# Altium PCB ER100_Driver.PcbDoc (part 2 of 2)
Units mil, origin at the board's own origin, x right, y up, seen from the top; angles counter-clockwise.
Board outline 4527.56 x 3228.35 mil, 4 copper layers (Top Layer, MidLayer1, MidLayer2, Bottom Layer); 68 components, 74 nets, 510 pads, 543 vias.
Unrouted connection lines stored in the file: 17.
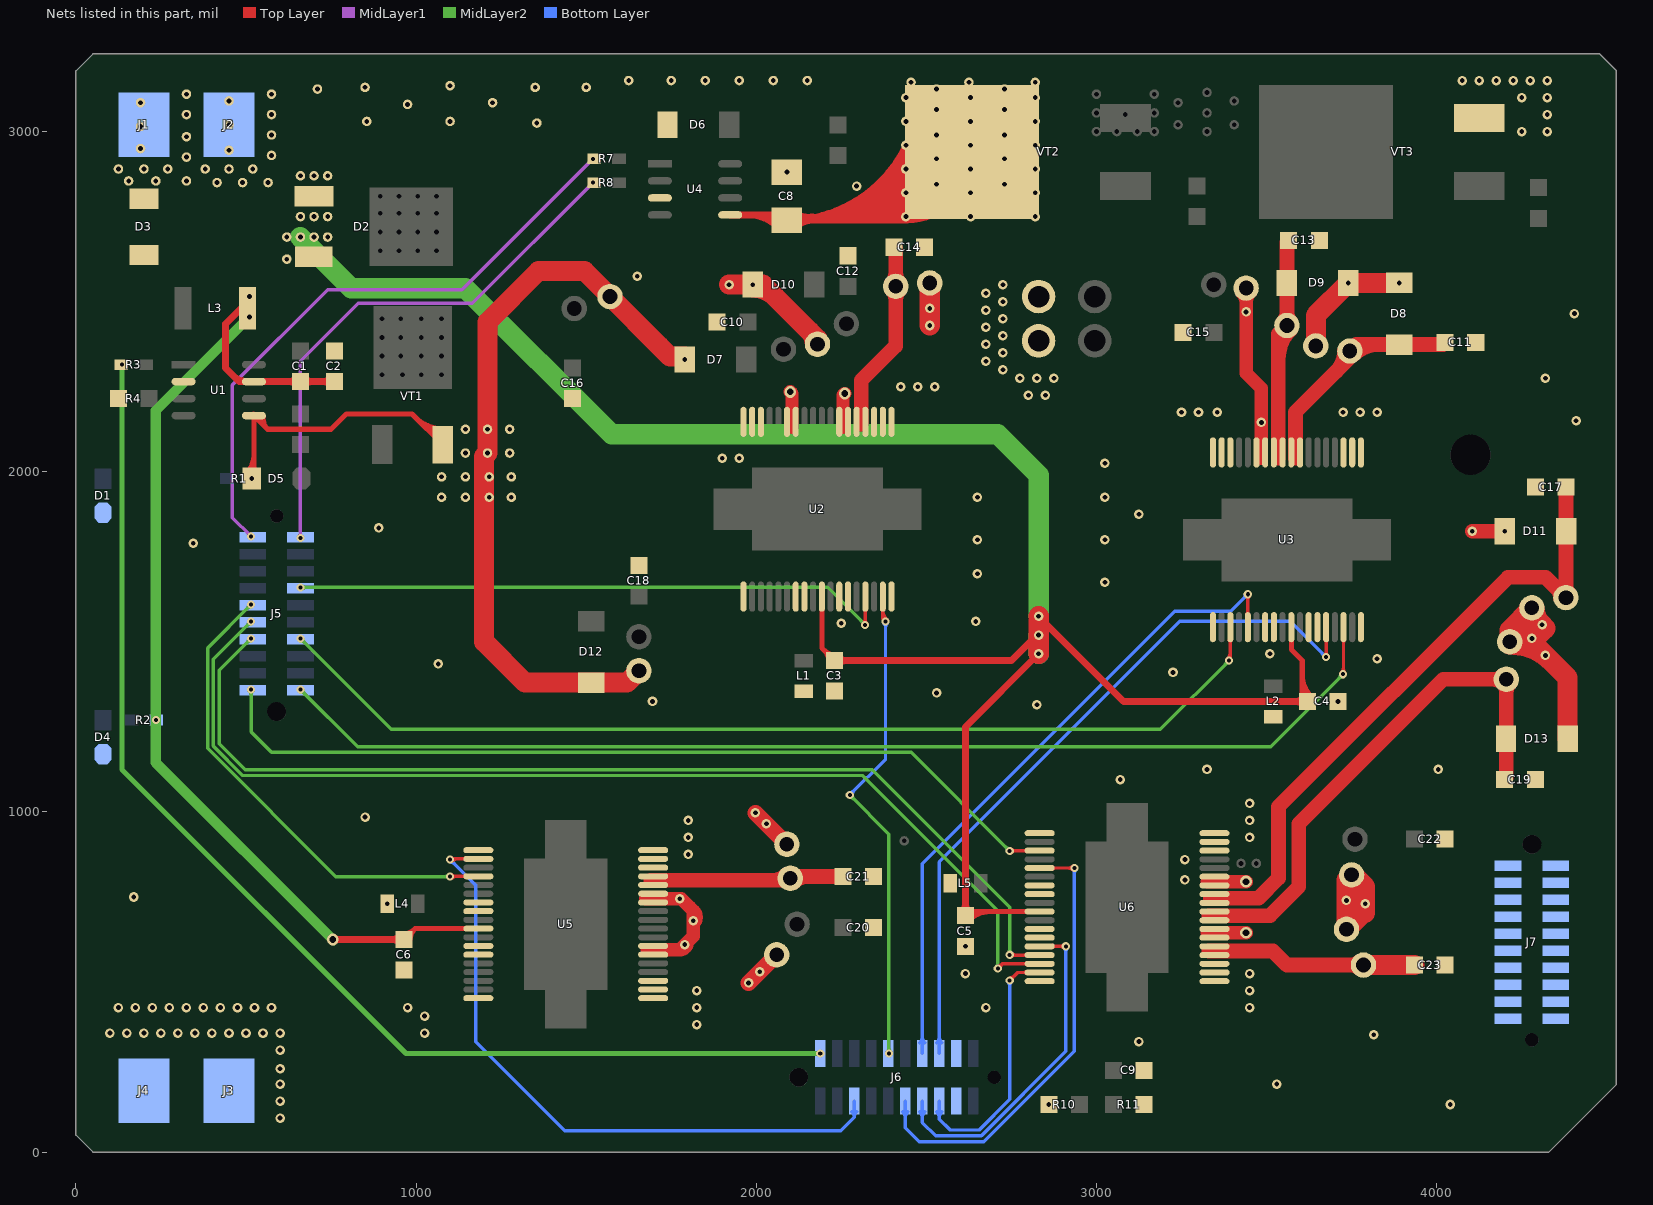
[diagram p4: the nets of this part, all layers, seen from the top]

## Via types
v1: diameter 19.68, hole 7.87, Top Layer to Bottom Layer, 264 vias
v2: diameter 28, hole 14, Top Layer to Bottom Layer, 205 vias
v3: diameter 24, hole 12, Top Layer to Bottom Layer, 69 vias
v4: diameter 35, hole 20, Top Layer to Bottom Layer, 5 vias

## Nets (pads, with @x,y where several pads share a name; then routed paths per layer and width w, separated by ;. In a path a pad name is that pad's centre, name@x,y a point inside that pad or via, vN(x,y) a via of type N, cw(c..) or ccw(c..) an arc to the next point about the centre after c; other vN are vias at no path point) (continued)
P_GND: C2.1 C3.2 C4.2 C5.2 C6.2 C8.2 C9.1 C10.2 C11.1 C12.2 C13.1 C14.2 C15.1 C16.2 C17.1 C18.2 C19.1 C20.2 C21.2 C22.2 C23.2 D1.2 D3.1 D4.2 J3.1 J4.1 J6.9 J6.12 J7.1 J7.2 J7.3 J7.4 J7.5 J7.6 J7.7 J7.8 J7.9 J7.10 J7.11 J7.12 J7.13 J7.14 J7.15 J7.16 J7.17 J7.18 J7.19 J7.20 L1.2 L2.2 L4.2 L5.2 pad.27@2830,2385 pad.28@2830,2515 R4.1 R11.2 U1.2 U2.1 U2.2 U2.3 U2.16 U2.17 U2.18 U2.19 U2.25 U2.26 U2.30 U2.31 U2.36 U3.1 U3.2 U3.3 U3.16 U3.17 U3.18 U3.19 U3.25 U3.26 U3.30 U3.31 U3.36 U4.3 U5.1 U5.2 U5.3 U5.16 U5.17 U5.18 U5.19 U5.25 U5.26 U5.30 U5.31 U5.36 U6.1 U6.2 U6.3 U6.16 U6.17 U6.18 U6.19 U6.25 U6.26 U6.30 U6.31 U6.36 VT3.3
  other v2: 600,100 4040,140 600,150 600,200 3530,200 600,245 600,300 3125,325 3815,345 100,350 150,350 200,350 250,350 300,350 350,350 400,350 450,350 500,350 550,350 600,350 1025,350 1825,375 1025,400 125,425 175,425 225,425 275,425 325,425 375,425 425,425 475,425 525,425 575,425 975,425 1825,425 2675,425 3450,425 1825,475 3450,475 2615,525 3450,525 2615,605 915,730 170,750 1800,875 1800,925 3450,925 1800,975 3450,975 850,985 3450,1025 3070,1095 3325,1125 4005,1125 2825,1315 3710,1325 2530,1350 3225,1410 1065,1435 3825,1450 3510,1465 2250,1555 2645,1560 3025,1675 2650,1700 345,1790 2650,1800 3025,1800 890,1835 3125,1875 2650,1925 3025,1925 3025,2025 1900,2040 1950,2040 4410,2150 3250,2175 3300,2175 3355,2175 3725,2175 3775,2175 3825,2175 2800,2225 2850,2225 2425,2250 2475,2250 2525,2250 2775,2275 2825,2275 2875,2275 4320,2275 2725,2300 2675,2325 2725,2350 2675,2375 2725,2400 2675,2425 2725,2450 4405,2465 2675,2475 2725,2500 2675,2525 2725,2550 2295,2840 2090,2880.87 4250,3000 4325,3000 4325,3050 4250,3100 4325,3100 4075,3150 4125,3150 4175,3150 4225,3150 4275,3150 4325,3150
PUMP_EN: J5.10 R8.1 | length 1650.6
  MidLayer1 w10: v3@655.05,1809.95 ccw(c643.1,1821.9) 660,1821.9 ccw(c676.9,1821.9) v3@664.95,1809.95 ; v3(660,1805) 660,2325 830,2495 1165,2495 v3(1520,2850) ; v3@1513,2850 cw(c1496.1,2850) 1508.05,2838.05 cw(c1520,2826.1) v3@1520,2843
PUMP_PWM: J5.11 R7.1 | length 1856.3
  MidLayer1 w10: v3@508,1810 ccw(c491.1,1810) 503.05,1821.95 ccw(c515,1833.9) v3@515,1817 ; v3(515,1810) 460,1865 460,2255 740,2535 1135,2535 v3(1520,2920) ; v3@1513,2920 cw(c1496.1,2920) 1508.05,2908.05 cw(c1520,2896.1) v3@1520,2913
R_STB1: C13.2 D9.1 pad.16@3560,2430 U3.10 U3.11 | length 810
  Top Layer w43.31: 3534.69,2040 3534.69,2404.69 pad.16@3560,2430 3560,2675 C13.2@3565,2680 ; 3534.69,2330.88 cw(c3659.12,2330.88) pad.16@3571.14,2418.86 ; pad.16@3548.86,2441.14 ccw(c3521.98,2468.02) 3560,2468.02 ccw(c3598.02,2468.02) pad.16@3571.14,2441.14
R_STB2: C11.2 D8.1 pad.18@3745,2355 U3.8 U3.9 | length 820.1
  Top Layer w43.31: 3585,2040 3585,2175 3745,2335 pad.18@3745,2355 3763.97,2373.97 D8.1@3890,2373.97 4018.97,2373.97 C11.2@4025,2380 ; 3703.97,2293.97 ccw(c3642.95,2355) pad.18@3729.25,2355 ; pad.18@3756.14,2343.86 cw(c3828.82,2271.18) 3828.82,2373.97
R_TC: C19.2 D13.1 pad.23@4205,1390 U6.8 U6.9 | length 1687.8
  Top Layer w43.31: 3330,695 3510,695 3595,780 3595,965 4020,1390 pad.23@4205,1390 4205,1100 C19.2@4200,1095 ; pad.23@4193.86,1401.14 cw(c4166.98,1428.02) 4166.98,1390 cw(c4166.98,1351.98) 4193.86,1378.86 cw(c4166.98,1351.98) 4205,1351.98 cw(c4243.02,1351.98) pad.23@4216.14,1378.86
RB_INP: C21.1 pad.7@2100,805 U5.14 U5.15 | length 659.3
  Top Layer w43.31: 1690,798.83 2093.83,798.83 pad.7@2100,805 2105,810 C21.1@2255,810 ; 2047.08,798.83 ccw(c2047.08,857.92) pad.7@2088.86,816.14 ; pad.7@2111.14,793.86 cw(c2150.09,754.91) 2150.09,810
RB_OUP: C14.1 pad.10 U2.4 U2.5 | length 683.4
  Top Layer w43.31: 2308.83,2140 2308.83,2268.83 2410,2370 pad.10@2410,2545 2410,2655 C14.1@2405,2660 ; pad.10@2398.86,2533.86 cw(c2371.98,2506.98) 2410,2506.98 cw(c2448.02,2506.98) pad.10@2421.14,2533.86 ; pad.10@2398.86,2556.14 ccw(c2371.98,2583.02) 2410,2583.02 ccw(c2448.02,2583.02) pad.10@2421.14,2556.14
RBI_PWM: J5.15 U5.22 | length 1523
  Top Layer w10: v3(1100,810) 1100.75,810.75 U5.22@1183.11,810.75 ; v3@1104.95,805.05 cw(c1118.71,791.29) 1118.71,810.75 ; v3@1104.95,814.95 ccw(c1115.09,825.09) 1115.09,810.75 ; U5.22@1144.95,808.02 ccw(c1138.36,801.43) 1138.36,810.75 ccw(c1138.36,820.06) U5.22@1144.95,813.48
  MidLayer2 w10: v3@508,1610 cw(c491.1,1610) 503.05,1598.05 cw(c515,1586.1) v3@515,1603 ; v3(515,1610) 387,1482 387,1186.83 763.83,810 v3(1100,810) ; v3@1095.05,805.05 ccw(c1083.1,793.1) 1083.1,810 ccw(c1083.1,826.9) v3@1095.05,814.95
RBI_STA: J6.3 U5.20 | length 2037.2
  Top Layer w10: v3(1100,860) 1101.93,861.93 U5.20@1183.11,861.93 ; v3@1104.95,855.05 cw(c1121.56,838.44) 1121.56,861.93 ; v3@1104.95,864.95 ccw(c1112.24,872.24) 1112.24,861.93 ; U5.20@1144.95,859.2 ccw(c1138.36,852.61) 1138.36,861.93 ccw(c1138.36,871.24) U5.20@1144.95,864.66
  Bottom Layer w10: v3@1100,853 cw(c1100,836.1) 1111.95,848.05 cw(c1123.9,860) v3@1107,860 ; v3(1100,860) 1175,785 1175,325 1437,63 2248,63 2288,103 ; J6.3@2281.14,118.23 cw(c2267.67,103) 2288,103 ; J6.3@2288,150 2288,103 ; J6.3@2294.86,118.23 ccw(c2308.33,103) 2288,103
RBO_PWM: J5.7 U2.33 | length 1877.9
  Top Layer w10: v3@2315.05,1554.95 ccw(c2303.1,1566.9) 2320,1566.9 ccw(c2336.9,1566.9) v3@2324.95,1554.95 ; v3(2320,1550) 2320,1632.36 U2.33@2320.75,1633.11 ; 2320,1586.56 cw(c2331.87,1586.56) U2.33@2323.48,1594.95
  MidLayer2 w10: v3(660,1660) 2210,1660 v3(2320,1550) ; v3@664.95,1655.05 cw(c676.9,1643.1) 676.9,1660 cw(c676.9,1676.9) v3@664.95,1664.95 ; v3@2313,1550 ccw(c2296.1,1550) 2308.05,1561.95 ccw(c2320,1573.9) v3@2320,1557
RBO_STA: J6.16 U2.35 | length 1609.3
  Top Layer w10: U2.35@2369.2,1594.95 cw(c2362.61,1588.36) 2371.93,1588.36 cw(c2381.24,1588.36) U2.35@2374.66,1594.95 ; 2371.93,1572.24 ccw(c2392.24,1572.24) v3@2377.88,1557.88 ; U2.35@2371.93,1596.38 ccw(c2416.38,1596.38) v3@2384.95,1564.95 ; U2.35@2371.93,1633.11 2371.93,1568.07 v3(2380,1560)
  MidLayer2 w10: v3@2275,1043 cw(c2275,1026.1) 2286.95,1038.05 cw(c2298.9,1050) v3@2282,1050 ; v3(2275,1050) 2390,935 v3(2390,290) ; v3@2385.05,294.95 ccw(c2373.1,306.9) 2390,306.9 ccw(c2406.9,306.9) v3@2394.95,294.95
  Bottom Layer w10: v3(2275,1050) 2380,1155 v3(2380,1560) ; v3@2275,1057 ccw(c2275,1073.9) 2286.95,1061.95 ccw(c2298.9,1050) v3@2282,1050 ; v3@2375.05,1555.05 cw(c2363.1,1543.1) 2380,1543.1 cw(c2396.9,1543.1) v3@2384.95,1555.05
RF_INP: C23.1 pad.20@3785,550 U6.4 U6.5 | length 681.8
  Top Layer w43.31: 3330,591.17 3518.83,591.17 3560,550 pad.20@3785,550 ; pad.20@3773.86,538.86 ccw(c3746.98,511.98) 3746.98,550 ccw(c3746.98,588.02) pad.20@3773.86,561.14
  Top Layer w59.06: pad.20@3785,550 C23.1@3935,550
RF_OUP: C17.2 D11.1 pad.26@4380,1630 U6.10 U6.11 | length 2028.1
  Top Layer w43.31: 3335,746.46 3476.46,746.46 3535,805 3535,1015 4210,1690 4320,1690 pad.26@4380,1630 C17.2@4380,1955 ; pad.26@4364.25,1630 ccw(c4326.23,1630) 4353.12,1656.88 ccw(c4380,1683.77) pad.26@4380,1645.75 ; pad.26@4368.86,1641.14 ccw(c4341.98,1668.02) 4380,1668.02 ccw(c4418.02,1668.02) pad.26@4391.14,1641.14
RFI_PWM: J5.17 U6.33 | length 3193.9
  Top Layer w10: v3(2745,580) 2745.75,579.25 U6.33@2833.11,579.25 ; v3@2749.95,575.05 cw(c2760.09,564.91) 2760.09,579.25 ; v3@2749.95,584.95 ccw(c2763.71,598.71) 2763.71,579.25 ; U6.33@2794.95,576.52 ccw(c2788.36,569.94) 2788.36,579.25 ccw(c2788.36,588.57) U6.33@2794.95,581.98
  MidLayer2 w10: v3@508,1510 cw(c491.1,1510) 503.05,1498.05 cw(c515,1486.1) v3@515,1503 ; v3(515,1510) 421,1416 421,1200.92 497.92,1124 2341,1124 2745,720 v3(2745,580) ; v3@2740.05,584.95 ccw(c2728.1,596.9) 2745,596.9 ccw(c2761.9,596.9) v3@2749.95,584.95
RFI_STA: J6.8 U6.35 | length 865.2
  Top Layer w10: v3(2745,505) 2768.07,528.07 U6.35@2833.11,528.07 ; v3@2745,512 ccw(c2745,528.9) 2756.95,516.95 ccw(c2768.9,505) v3@2752,505 ; U6.35@2794.95,525.34 ccw(c2788.36,518.76) 2788.36,528.07 ccw(c2788.36,537.39) U6.35@2794.95,530.8
  Bottom Layer w10: J6.8@2530.68,118.66 cw(c2513,100.99) 2538,100.99 cw(c2563,100.99) J6.8@2545.32,118.66 ; J6.8@2538,150 2538,97 2570,65 2655,65 2745,155 v3(2745,505) ; v3@2740.05,500.05 cw(c2728.1,488.1) 2745,488.1 cw(c2761.9,488.1) v3@2749.95,500.05
RFO_PWM: J5.20 U6.21 | length 2681
  Top Layer w10: v3@2746.34,886.34 U6.21@2833.11,886.34 ; v3@2749.95,880.05 cw(c2765.13,864.87) 2765.13,886.34 ; v3@2749.95,889.95 ccw(c2758.67,898.67) 2758.67,886.34 ; U6.21@2794.95,883.61 ccw(c2788.36,877.02) 2788.36,886.34 ccw(c2788.36,895.65) U6.21@2794.95,889.07
  MidLayer2 w10: v3@510.05,1355.05 cw(c498.1,1343.1) 515,1343.1 cw(c531.9,1343.1) v3@519.95,1355.05 ; v3(515,1360) 515,1235 575,1175 2455,1175 v3(2745,885) ; v3@2738,885 ccw(c2721.1,885) 2733.05,896.95 ccw(c2745,908.9) v3@2745,892
RFO_STA: J6.6 U6.23 | length 1449.2
  Top Layer w10: U6.23@2833.11,835.16 2934.84,835.16 v3(2935,835) ; U6.23@2871.27,832.43 cw(c2877.86,825.84) 2877.86,835.16 cw(c2877.86,844.47) U6.23@2871.27,837.89 ; 2917.72,835.16 cw(c2917.72,817.72) v3@2930.05,830.05 ; 2918.48,835.16 ccw(c2918.48,851.52) v3@2930.05,839.95
  Bottom Layer w10: J6.6@2430.68,118.66 cw(c2413,100.99) 2438,100.99 cw(c2463,100.99) J6.6@2445.32,118.66 ; J6.6@2438,150 2438,72 2479,31 2669.08,31 2935,296.92 v3(2935,835) ; v3@2930.05,830.05 cw(c2918.1,818.1) 2935,818.1 cw(c2951.9,818.1) v3@2939.95,830.05
RSTB1_PWM: J5.4 U3.21 | length 3114.7
  Top Layer w10: v3@3385.05,1449.95 ccw(c3364.26,1470.74) 3393.66,1470.74 ; v3(3390,1445) 3393.66,1448.66 U3.21@3393.66,1543.11 ; U3.21@3390.93,1504.95 cw(c3384.35,1498.36) 3393.66,1498.36 cw(c3402.98,1498.36) U3.21@3396.39,1504.95
  MidLayer2 w10: v3@660,1503 cw(c660,1486.1) 671.95,1498.05 cw(c683.9,1510) v3@667,1510 ; v3(660,1510) 927,1243 3188,1243 v3(3390,1445) ; v3@3383,1445 cw(c3366.1,1445) 3378.05,1433.05 cw(c3390,1421.1) v3@3390,1438
RSTB1_STA: J6.14 U3.23 | length 2047
  Top Layer w10: v3@3440.05,1635.05 cw(c3428.48,1623.48) 3444.84,1623.48 ; U3.23@3442.11,1581.27 ccw(c3435.53,1587.86) 3444.84,1587.86 ccw(c3454.16,1587.86) U3.23@3447.57,1581.27 ; U3.23@3444.84,1543.11 3444.84,1639.84 v3(3445,1640) ; 3444.84,1622.72 cw(c3462.28,1622.72) v3@3449.95,1635.05
  Bottom Layer w10: J6.14@2480.68,321.34 ccw(c2463,339.01) 2488,339.01 ccw(c2513,339.01) J6.14@2495.32,321.34 ; J6.14@2488,290 2488,848 3230,1590 3395,1590 v3(3445,1640) ; v3@3438,1640 cw(c3421.1,1640) 3433.05,1628.05 cw(c3445,1616.1) v3@3445,1633
RSTB2_PWM: J5.1 U3.34 | length 3455.7
  Top Layer w10: v3@3720.05,1409.95 ccw(c3704.87,1425.13) 3726.34,1425.13 ; U3.34@3723.61,1504.95 cw(c3717.02,1498.36) 3726.34,1498.36 cw(c3735.65,1498.36) U3.34@3729.07,1504.95 ; v3(3725,1405) 3726.34,1406.34 U3.34@3726.34,1543.11 ; 3726.34,1418.67 ccw(c3738.67,1418.67) v3@3729.95,1409.95
  MidLayer2 w10: v3@660,1353 cw(c660,1336.1) 671.95,1348.05 cw(c683.9,1360) v3@667,1360 ; v3(660,1360) 828,1192 3512,1192 v3(3725,1405) ; v3@3718,1405 cw(c3701.1,1405) 3713.05,1393.05 cw(c3725,1381.1) v3@3725,1398
RSTB2_STA: J6.13 U3.32 | length 2231.5
  Top Layer w10: v3@3670.05,1459.95 ccw(c3657.72,1472.28) 3675.16,1472.28 ; U3.32@3672.43,1504.95 cw(c3665.84,1498.36) 3675.16,1498.36 cw(c3684.47,1498.36) U3.32@3677.89,1504.95 ; v3(3675,1455) 3675.16,1455.16 U3.32@3675.16,1543.11 ; 3675.16,1471.52 ccw(c3691.52,1471.52) v3@3679.95,1459.95
  Bottom Layer w10: J6.13@2530.68,321.34 ccw(c2513,339.01) 2538,339.01 ccw(c2563,339.01) J6.13@2545.32,321.34 ; J6.13@2538,290 2538,853 3245,1560 3570,1560 v3(3675,1455) ; v3@3668,1455 ccw(c3651.1,1455) 3663.05,1466.95 ccw(c3675,1478.9) v3@3675,1462
RTC_PWM: J5.16 U6.34 | length 3311.6
  Top Layer w10: v3(2710,540) 2723.66,553.66 U6.34@2833.11,553.66 ; v3@2710,547 ccw(c2710,563.9) 2721.95,551.95 ccw(c2733.9,540) v3@2717,540 ; U6.34@2794.95,550.93 ccw(c2788.36,544.35) 2788.36,553.66 ccw(c2788.36,562.98) U6.34@2794.95,556.39
  MidLayer2 w10: v3@508,1560 cw(c491.1,1560) 503.05,1548.05 cw(c515,1536.1) v3@515,1553 ; v3(515,1560) 404,1449 404,1193.88 490.88,1107 2313,1107 2710,710 v3(2710,540) ; v3@2705.05,544.95 ccw(c2693.1,556.9) 2710,556.9 ccw(c2726.9,556.9) v3@2714.95,544.95
RTC_STA: J6.7 U6.32 | length 1096.8
  Top Layer w10: U6.32@2833.11,604.84 2909.84,604.84 v3(2910,605) ; U6.32@2871.27,602.11 cw(c2877.86,595.53) 2877.86,604.84 cw(c2877.86,614.16) U6.32@2871.27,607.57 ; 2892.72,604.84 ccw(c2892.72,622.28) v3@2905.05,609.95 ; 2893.48,604.84 cw(c2893.48,588.48) v3@2905.05,600.05
  Bottom Layer w10: J6.7@2480.68,118.66 cw(c2463,100.99) 2488,100.99 cw(c2513,100.99) J6.7@2495.32,118.66 ; J6.7@2488,150 2488,87 2527,48 2662.04,48 2910,295.96 v3(2910,605) ; v3@2905.05,600.05 cw(c2893.1,588.1) 2910,588.1 cw(c2926.9,588.1) v3@2914.95,600.05
VALVES+: D5.1 D7.2 D8.2 D9.2 D10.2 D11.2 D12.2 D13.2 pad.2@1570,2515 pad.3@1655,1415 pad.5@2060,580 pad.8@2090,905 pad.9@2510,2555 pad.12@2180,2375 pad.15@3440,2540 pad.17@3645,2370 pad.19@3735,655 pad.21 pad.22@1145,2055 pad.23@1145,2125 pad.24 pad.25 pad.26@1210,2055 pad.27@1275,2055 pad.28@1145,1985 pad.29@1215,1985 pad.30@1280,1985 pad.31@1280,1925 pad.32@1215,1925 pad.33 pad.34 R1.1 R10.2 U1.5 U2.6 U2.7 U2.12 U2.13 U3.12 U3.13 U5.6 U5.7 U5.12 U5.13 U6.6 U6.7 U6.12 U6.13 VT1.3 | length 8241.3
  Top Layer w15: D5.1@503.2,1998.69 ccw(c454.57,2047.32) 523.35,2047.32 ; D5.1@512.37,1984.6 ccw(c485.88,2011.09) D5.1@523.35,2011.09 ; v2(516.97,1980) 523.35,1986.38 U1.5@523.35,2165 563.35,2125 ; U1.5@521.75,2169.99 ccw(c527.13,2168.96) U1.5@523.26,2165.09 ; 523.35,2016.52 ccw(c548.57,2016.52) D5.1@530.73,1998.69 ; U1.5@536.49,2167.18 ccw(c560.81,2162.55) 543.3,2145.05 ; U1.5@551.22,2164.38 ccw(c594.49,2156.15) 563.35,2125 ; 997.36,2160.32 ccw(c1078.45,2241.4) VT1.3@1078.45,2126.73 ; 1022.97,2134.71 ccw(c1078.45,2190.19) VT1.3@1078.45,2111.73 ; VT1.3@1048.57,2109.1 ccw(c1078.45,2138.98) VT1.3@1078.45,2096.73 ; VT1.3@1078.45,2079.23 987.68,2170 795,2170 750,2125 563.35,2125
  Top Layer w39.37: 1675,745 1780,745 1815,710 ; 1680,595 1775,595 ; 1767.51,595 ccw(c1767.51,632.49) v2@1794.02,605.98 ; v2@1795.1,607.48 cw(c1775,617.42) 1775,595 ; 1803.49,721.51 cw(c1761.98,680) v2@1820.68,680 ; v2@1820.05,677.38 ccw(c1795.25,690.24) 1815,710 ; v4(2100,2235) 2105,2230 2105,2130 ; 2255,2130 2255,2225 v4(2260,2230) ; 3325,645 v4(3440,645) ; 3325,795 v4(3440,795) ; pad.15@3427.47,2527.47 cw(c3397.23,2497.23) 3440,2497.23 cw(c3482.77,2497.23) pad.15@3452.53,2527.47 ; pad.15@3440,2540 3440,2290 3485,2245 v2(3485,2145) 3485,2040 ; 1775,595 1815,635 1815,710
  Top Layer w43.31: v2(4105,1825) v2(4199.93,1825)
  Top Layer w47.24: v2(1977.5,497.5) pad.5@2060,580 ; v2(1997.5,997.5) pad.8@2090,905
  Top Layer w59.06: pad.3@1655,1415 1619.93,1379.93 1551.32,1379.93 D12.2@1515,1379.93 1320.07,1379.93 1200,1500 1200,1925 1200,1985 1200,2045 pad.26@1210,2055 pad.24@1210,2125 1210,2440 1360,2590 1495,2590 pad.2@1570,2515 1715.18,2369.82 1746.14,2338.86 1789.46,2338.86 1789.93,2338.39 v2(1789.93,2330) ; v2(1920,2550) v2(1989.93,2550) 2020,2550 2180,2390 pad.12@2180,2375 ; D10.2@1989.93,2541.14 cw(c1989.93,2447.16) 2056.39,2513.61 ; 2155.95,2414.05 cw(c2116.9,2375) pad.12@2172.13,2375 ; v2(2510,2430) pad.9@2510,2555 ; pad.17@3645,2370 3645,2459.93 v2(3740.07,2555) 3889.93,2555 v2(3890,2555.07) ; pad.19@3735,655 3735,800 pad.21@3750,815 ; 3735,759.78 cw(c3805.22,759.78) pad.21@3755.57,809.43 ; pad.21@3744.55,809.32 cw(c3642.09,702.64) 3790,702.64 ; pad.21@3749.18,807.17 cw(c3744.43,761.85) 3790,761.85 ; pad.19@3750,670 3790,710 3790,780 pad.21@3750,820 ; pad.24@4215,1492.13 cw(c4215,1316.19) 4339.4,1440.6 ; pad.24@4216.42,1507.74 ccw(c4237.5,1622.49) 4320,1540 ; pad.24@4222.87,1500 cw(c4326.38,1500) 4253.19,1573.19 ; 4241.81,1526.81 ccw(c4168.62,1600) pad.25@4272.13,1600 ; 4250.15,1567.93 cw(c4295.63,1541.67) pad.25@4282.04,1592.39 ; 4250.36,1568.29 cw(c4294.98,1542.53) pad.25@4281.99,1592.38 ; D13.2@4385.07,1215 4385.07,1394.93 v2@4280,1500 ; pad.24@4215,1500 v2@4280,1500 ; pad.24@4215,1500 4280,1565 pad.25@4280,1580 ; pad.24@4215,1500 4215,1535 pad.25@4280,1600 pad.25@4280,1580 ; v2@4280,1500 4320,1540 ; pad.25@4280,1580 v2(4310,1550) 4320,1540 ; pad.25@4287.87,1600 ccw(c4355.17,1600) v2@4307.58,1552.42 ; pad.25@4287.87,1600 ccw(c4355.17,1600) v2@4307.58,1552.42 ; pad.25@4287.87,1600 ccw(c4355.17,1600) v2@4307.58,1552.42
  other v2: 2860,140 2010,530 1790,610 1815,680 3790,730 3735,740 1775,745 3260,800 3260,860 2030,965 1695,1325 4320,1460 4280,1510 3440,2470 2510,2480 1650,2575
VALVES_EN: J6.20 R3.1 | length 3588.9
  MidLayer2 w15: v3(135,2315) 135,1125 970,290 v3(2188,290)
VCC_14V: C1.2 C2.2 C3.1 C4.1 C5.1 C6.1 C8.1 D2.1 D3.2 D6.1 J1.1 J2.1 L3.2 pad.0@710,3125 pad.0@2150,3150 pad.1@2530,3125 pad.2@2730,3125 pad.3@2625,3145 pad.4@2455,3145 pad.5@2820,3145 pad.30@1850,3150 pad.31@1950,3150 pad.32@2050,3150 pad.43 pad.49 pad.50 pad.51 pad.52 pad.53 pad.54 pad.55 pad.56 pad.57 pad.59 pad.60 pad.61 pad.62 pad.63 pad.64 pad.65 pad.66 pad.67 pad.68 pad.69 pad.70 pad.71 pad.72 pad.73 pad.74 pad.75 pad.76 pad.77 pad.78 pad.79 pad.80 pad.81 pad.82 pad.83 pad.84 pad.85 pad.86 pad.87 pad.88 pad.89 pad.90 pad.91 pad.92 pad.93 pad.94 pad.95 pad.96 R2.2 U1.7 U2.28 U3.28 U4.5 U5.28 U6.28 VT2.2 | length 18494.8
  Top Layer w15: C6.1@965,625 997.2,657.2 U5.28@1183.11,657.2 ; C6.1@965,642.5 ccw(c965,684.75) 994.87,654.87 ccw(c1024.75,625) C6.1@982.5,625 ; U2.28@2192.8,1633.11 2192.8,1482.2 C3.1@2230,1445 ; C3.1@2212.5,1445 ccw(c2170.25,1445) 2200.13,1474.87 ccw(c2230,1504.75) C3.1@2230,1462.5 ; C5.1@2615,710 2617.8,707.2 U6.28@2833.11,707.2 ; C5.1@2616.77,693.23 cw(c2650.5,659.5) 2650.5,707.2 ; C5.1@2627.37,682.63 cw(c2686.71,623.29) 2686.71,707.2 ; U3.28@3572.8,1543.11 3572.8,1477.2 3605,1445 3605,1340 C4.1@3620,1325 ; 3605,1367.25 ccw(c3662.25,1367.25) C4.1@3621.77,1326.77 ; 3605,1403.46 ccw(c3698.46,1403.46) C4.1@3632.37,1337.37
  Top Layer w20: 465.34,2279.66 ccw(c498.74,2313.07) U1.7@498.74,2265.83 ; L3.2@505,2480 485,2480 440,2435 440,2305 480,2265 U1.7@523.35,2265 C1.2@660,2265 C2.2@760,2265 ; C1.2@649.39,2254.39 ccw(c623.79,2228.79) 623.79,2265 ccw(c623.79,2301.21) C1.2@649.39,2275.61 ; C1.2@670.61,2254.39 cw(c696.21,2228.79) 696.21,2265 cw(c696.21,2301.21) C1.2@670.61,2275.61 ; C2.2@749.39,2254.39 ccw(c723.79,2228.79) 723.79,2265 ccw(c723.79,2301.21) C2.2@749.39,2275.61 ; v4(755,625) C6.1@965,625 ; v4@760.3,619.7 cw(c773.11,606.89) 773.11,625 cw(c773.11,643.11) v4@760.3,630.3 ; C6.1@954.39,614.39 ccw(c928.79,588.79) 928.79,625 ccw(c928.79,661.21) C6.1@954.39,635.61 ; U4.5@1923.35,2755 2074.13,2755 C8.1@2090,2739.14 ; 1977.81,2755 cw(c1977.81,2634.45) C8.1@2063.05,2719.69 ; 2026.09,2755 cw(c2026.09,2682.73) C8.1@2077.19,2733.83 ; C8.1@2114.14,2761.03 ccw(c2152.24,2811.13) 2160.73,2748.76 ; C8.1@2114.87,2760.45 ccw(c2161.33,2817.43) 2168.77,2744.29 ; C8.1@2116.94,2719.69 cw(c2163.89,2672.75) 2163.89,2739.14 cw(c2163.89,2805.53) C8.1@2116.94,2758.58 ; C8.1@2118.11,2739.14 ccw(c2118.11,3118.88) VT2.2@2476.94,2994.6 ; C8.1@2118.81,2721.76 cw(c2164.75,2684.31) 2158.75,2743.27 ; C8.1@2119.39,2722.49 cw(c2174.98,2680.22) 2165.56,2749.42 ; 2146.2,2739.14 ccw(c2146.2,3109.15) VT2.2@2495.84,2988.06 ; 2174.29,2739.14 ccw(c2174.29,3099.42) VT2.2@2514.74,2981.51 ; 2202.39,2739.14 ccw(c2202.39,3089.69) VT2.2@2533.64,2974.97 ; C3.1@2230,1445 2750,1445 2825,1520 v2(2830,1520) ; 2230.48,2739.14 ccw(c2230.48,3079.97) VT2.2@2552.54,2968.42 ; C3.1@2240.61,1434.39 cw(c2266.21,1408.79) 2266.21,1445 cw(c2266.21,1481.21) C3.1@2240.61,1455.61 ; 2258.57,2739.14 ccw(c2258.57,3070.24) VT2.2@2571.44,2961.88 ; 2286.66,2739.14 ccw(c2286.66,3060.51) VT2.2@2590.34,2955.33 ; 2314.76,2739.14 ccw(c2314.76,3050.78) VT2.2@2609.23,2948.79 ; 2342.85,2739.14 ccw(c2342.85,3041.05) VT2.2@2628.13,2942.24 ; 2370.94,2739.14 ccw(c2370.94,3031.32) VT2.2@2647.03,2935.7 ; 2395.16,2751.45 cw(c2410.64,2697.2) VT2.2@2438.06,2746.5 ; 2398.27,2864.13 cw(c2445.73,2824.28) VT2.2@2440.35,2886.02 ; 2399.03,2739.14 ccw(c2399.03,3021.59) VT2.2@2665.93,2929.15 ; 2404.12,2739.14 ccw(c2404.12,2785.88) v2@2437.17,2752.83 ; 2409.64,2809.14 cw(c2432.84,2776.73) VT2.2@2439.35,2816.05 ; 2412.04,2740.09 ccw(c2409.38,2776.45) v2@2436.97,2752.61 ; 2417.45,2750.55 cw(c2422.93,2724.03) VT2.2@2437.8,2746.66 ; 2421.42,2799.85 ccw(c2403.39,2828.07) v2@2436.09,2820.86 ; 2424.59,2745.58 ccw(c2422.4,2763.83) v2@2436.85,2752.47 ; 2427.13,2739.14 ccw(c2427.13,3011.86) VT2.2@2684.83,2922.61 ; 2430.61,2874.89 ccw(c2415.28,2888.87) v2@2436,2889.82 ; VT2.2@2438.99,2893.87 ccw(c2433.37,2915.43) VT2.2@2452.59,2904.16 ; VT2.2@2440,2754 ccw(c2440,2774.78) VT2.2@2454.69,2760.09 ; VT2.2@2440.01,2824 ccw(c2440.05,2856.95) VT2.2@2463.32,2833.62 ; VT2.2@2441.04,2753.86 ccw(c2449.08,2783.89) VT2.2@2464.62,2756.97 ; VT2.2@2441.63,2753.65 ccw(c2448.92,2770.04) VT2.2@2455.35,2753.3 ; VT2.2@2441.95,2753.49 ccw(c2459.24,2784.55) VT2.2@2468.97,2750.36 ; VT2.2@2442.34,2753.24 ccw(c2465.33,2785.08) VT2.2@2471.59,2746.31 ; VT2.2@2443.78,2748.69 cw(c2467.93,2740.33) VT2.2@2456.77,2763.32 ; VT2.2@2443.83,2748.83 cw(c2500.25,2731.62) VT2.2@2472.52,2783.69 ; VT2.2@2443.87,2891.02 cw(c2502.76,2906.5) VT2.2@2450.17,2937.19 ; VT2.2@2444,2820.15 cw(c2483.75,2821.68) VT2.2@2454.56,2848.71 ; VT2.2@2458.05,3001.15 cw(c2090.02,3128.61) C8.1@2090,2739.14 ; VT2.2@2460.97,2870.99 cw(c2347.14,2825.75) v2@2433.75,2739.14 ; VT2.2@2479.55,2878.38 cw(c2377.91,2837.98) 2455.25,2760.64 cw(c2532.59,2683.3) VT2.2@2572.98,2784.95 ; VT2.2@2485.28,2882.83 cw(c2548.29,2844.35) VT2.2@2530.94,2916.11 ; VT2.2@2498.14,2885.76 cw(c2408.68,2850.21) 2476.75,2782.14 cw(c2544.82,2714.07) VT2.2@2580.37,2803.53 ; VT2.2@2506.07,2806.74 ccw(c2469.45,2850.11) VT2.2@2526.01,2845.34 ; VT2.2@2513.96,2835.54 cw(c2528.46,2819.2) VT2.2@2529.76,2841.01 ; VT2.2@2516.38,2821.77 ccw(c2493.15,2845) VT2.2@2526,2845 ; VT2.2@2526.83,2958.76 ccw(c2558.29,2945.55) VT2.2@2532.97,2922.68 ; VT2.2@2529.49,2848.97 ccw(c2522.26,2905.15) VT2.2@2567.1,2870.53 ; VT2.2@2530,2849 ccw(c2530,2881.85) VT2.2@2553.23,2858.62 ; VT2.2@2533.94,2845.7 cw(c2555.99,2849.64) VT2.2@2537.61,2862.45 ; VT2.2@2565.6,2766.36 ccw(c2520.36,2652.53) v2@2433.75,2739.14 ; C5.1@2604.39,705.61 ccw(c2578.79,731.21) 2615,731.21 ccw(c2651.21,731.21) C5.1@2625.61,705.61 ; VT2.2@2605.77,2911.17 ccw(c2556.94,2960) VT2.2@2626,2960 ; VT2.2@2606.37,2809.21 cw(c2626.2,2784.61) VT2.2@2629.57,2816.02 ; VT2.2@2613.25,2839.36 ccw(c2559.21,2879.84) VT2.2@2626.04,2889.43 ; C5.1@2615,710 2615,1250 v2(2830,1465) ; VT2.2@2618.34,2878.67 cw(c2633.37,2867.57) VT2.2@2630.59,2886.04 ; VT2.2@2628.62,2893.75 ccw(c2606.13,2954.78) VT2.2@2665.18,2927.53 ; VT2.2@2633.74,2891.43 cw(c2652.51,2898.62) VT2.2@2634.15,2906.81 ; VT2.2@2633.95,2820.64 cw(c2665.28,2825.75) VT2.2@2639.51,2844.29 ; VT2.2@2634.61,2940 v2@2433.74,2739.14 ; 2814.64,1509.64 cw(c2830,1494.27) v2@2830,1516 ; v2(2830,1575) 3080,1325 C4.1@3620,1325 ; C4.1@3609.39,1314.39 ccw(c3583.79,1288.79) 3583.79,1325 ccw(c3583.79,1361.21) C4.1@3609.39,1335.61 ; C8.1@2090,2739.14 v2@2433.74,2739.14
  Top Layer w60: v2(2830,1465) v2(2830,1520) v2(2830,1575)
  MidLayer2 w30: v2(510,2455) 235,2180 235,1145 v4(755,625) v4@757.5,622.5
  MidLayer2 w60: pad.52@660,2690 810,2540 1145,2540 1575,2110 2710,2110 2830,1990 v2(2830,1575) ; v2(2830,1465) v2(2830,1520)
  other v2: 510,2515 2440,2750 2630,2750 2820,2750 2440,2820 2630,2820 2820,2820 2530,2845 2730,2845 2440,2890 2630,2890 2820,2890 2530,2920 2730,2920 2440,2960 2630,2960 2820,2960 2530,2990 2730,2990 2440,3030 2630,3030 2820,3030 2530,3065 2730,3065 2440,3100 2630,3100 2820,3100
  other v3: 235,1270
pads on no net: J5.0 J6.0 J6.4 J6.10 J7.0 U2.0 U2.29 U3.0 U3.4 U3.5 U3.6 U3.7 U3.29 U3.33 U3.35 U5.0 U5.10 U5.11 U5.21 U5.23 U5.29 U6.0 U6.29
copper on no net:
  other v1: 1395,395 1440,395 1485,395 1395,445 1440,445 1485,445 3045,445 3090,445 3135,445 3045,495 3090,495 3135,495 1331.73,496.77 1375.04,496.77 1418.35,496.77 1461.65,496.77 1504.96,496.77 1548.27,496.77 1331.73,540.08 1375.04,540.08 1418.35,540.08 1461.65,540.08 1504.96,540.08 1548.27,540.08 2981.73,546.77 3025.04,546.77 3068.35,546.77 3111.65,546.77 3154.96,546.77 3198.27,546.77 1331.73,583.39 1375.04,583.39 1418.35,583.39 1461.65,583.39 1504.96,583.39 1548.27,583.39 2981.73,590.08 3025.04,590.08 3068.35,590.08 3111.65,590.08 3154.96,590.08 3198.27,590.08 1331.73,626.69 1375.04,626.69 1418.35,626.69 1461.65,626.69 1504.96,626.69 1548.27,626.69 2981.73,633.39 3025.04,633.39 3068.35,633.39 3111.65,633.39 3154.96,633.39 3198.27,633.39 1331.73,670 1375.04,670 1418.35,670 1461.65,670 1504.96,670 1548.27,670 2981.73,676.69 3025.04,676.69 3068.35,676.69 3111.65,676.69 3154.96,676.69 3198.27,676.69 1331.73,713.31 1375.04,713.31 1418.35,713.31 1461.65,713.31 1504.96,713.31 1548.27,713.31 2981.73,720 3025.04,720 3068.35,720 3111.65,720 3154.96,720 3198.27,720 1331.73,756.61 1375.04,756.61 1418.35,756.61 1461.65,756.61 1504.96,756.61 1548.27,756.61 2981.73,763.31 3025.04,763.31 3068.35,763.31 3111.65,763.31 3154.96,763.31 3198.27,763.31 1331.73,799.92 1375.04,799.92 1418.35,799.92 1461.65,799.92 1504.96,799.92 1548.27,799.92 2981.73,806.61 3025.04,806.61 3068.35,806.61 3111.65,806.61 3154.96,806.61 3198.27,806.61 1331.73,843.23 1375.04,843.23 1418.35,843.23 1461.65,843.23 1504.96,843.23 1548.27,843.23 2981.73,849.92 3025.04,849.92 3068.35,849.92 3111.65,849.92 3154.96,849.92 3198.27,849.92 2981.73,893.23 3025.04,893.23 3068.35,893.23 3111.65,893.23 3154.96,893.23 3198.27,893.23 1395,900 1440,900 1485,900 1395,950 1440,950 1485,950 3045,950 3090,950 3135,950 3045,1000 3090,1000 3135,1000 3386.77,1691.73 3430.08,1691.73 3473.39,1691.73 3516.69,1691.73 3560,1691.73 3603.31,1691.73 3646.61,1691.73 3689.92,1691.73 3733.23,1691.73 3386.77,1735.04 3430.08,1735.04 3473.39,1735.04 3516.69,1735.04 3560,1735.04 3603.31,1735.04 3646.61,1735.04 3689.92,1735.04 3733.23,1735.04 3280,1755 3330,1755 3785,1755 3835,1755 3386.77,1778.35 3430.08,1778.35 3473.39,1778.35 3516.69,1778.35 3560,1778.35 3603.31,1778.35 3646.61,1778.35 3689.92,1778.35 3733.23,1778.35 2006.77,1781.73 2050.08,1781.73 2093.39,1781.73 2136.69,1781.73 2180,1781.73 2223.31,1781.73 2266.61,1781.73 2309.92,1781.73 2353.23,1781.73 3280,1800 3330,1800 3785,1800 3835,1800 3386.77,1821.65 3430.08,1821.65 3473.39,1821.65 3516.69,1821.65 3560,1821.65 3603.31,1821.65 3646.61,1821.65 3689.92,1821.65 3733.23,1821.65 2006.77,1825.04 2050.08,1825.04 2093.39,1825.04 2136.69,1825.04 2180,1825.04 2223.31,1825.04 2266.61,1825.04 2309.92,1825.04 2353.23,1825.04 1900,1845 1950,1845 2405,1845 2455,1845 3280,1845 3330,1845 3785,1845 3835,1845 3386.77,1864.96 3430.08,1864.96 3473.39,1864.96 3516.69,1864.96 3560,1864.96 3603.31,1864.96 3646.61,1864.96 3689.92,1864.96 3733.23,1864.96 2006.77,1868.35 2050.08,1868.35 2093.39,1868.35 2136.69,1868.35 2180,1868.35 2223.31,1868.35 2266.61,1868.35 2309.92,1868.35 2353.23,1868.35 1900,1890 1950,1890 2405,1890 2455,1890 3386.77,1908.27 3430.08,1908.27 3473.39,1908.27 3516.69,1908.27 3560,1908.27 3603.31,1908.27 3646.61,1908.27 3689.92,1908.27 3733.23,1908.27 2006.77,1911.65 2050.08,1911.65 2093.39,1911.65 2136.69,1911.65 2180,1911.65 2223.31,1911.65 2266.61,1911.65 2309.92,1911.65 2353.23,1911.65 1900,1935 1950,1935 2405,1935 2455,1935 2006.77,1954.96 2050.08,1954.96 2093.39,1954.96 2136.69,1954.96 2180,1954.96 2223.31,1954.96 2266.61,1954.96 2309.92,1954.96 2353.23,1954.96 2006.77,1998.27 2050.08,1998.27 2093.39,1998.27 2136.69,1998.27 2180,1998.27 2223.31,1998.27 2266.61,1998.27 2309.92,1998.27 2353.23,1998.27

## Polygon pours and split planes (outlines as drawn)
MOTOR+ on Bottom Layer "Bottom Layer-No Net" (solid, remove dead copper, shelved, pour order 28): 2925,2325 2925,2675 2975,2725 2975,3150 3875,3150 3875,2740 3425,2740 3425,2975 3175,2975 3175,2325
NetD2_2 on Bottom Layer "Bottom Layer-No Net" (solid, remove dead copper, shelved, pour order 30): 850,2850 1125,2850 1125,2225 850,2225
VCC_14V on Bottom Layer "Bottom Layer-No Net" (solid, remove dead copper, shelved, pour order 17): 70,3180 2850,3180 2850,2730 2400,2730 2400,3110 2400,2980 780,2980 780,2580 550,2580 480,2580 480,2750 70,2750
P_GND on Bottom Layer "Bottom Layer-No Net" (solid, remove dead copper, shelved, pour order 32): 0,3250 4550,3250 4550,0 0,0
P_GND on Top Layer "Bottom Layer-No Net" (solid, remove dead copper, shelved, pour order 31): 0,3250 4550,3250 4550,-10 10,-10 0,0
MOTOR+ on Top Layer "Bottom Layer-No Net" (solid, remove dead copper, shelved, pour order 27): 2975,2975 2975,3150 3875,3150 3875,2740 3425,2740 3425,2975
VCC_14V on Top Layer "Bottom Layer-No Net" (solid, remove dead copper, shelved, pour order 20): 1760,3180 1760,3110 2850,3110 2850,3180
VCC_14V on Top Layer "Bottom Layer-No Net" (solid, remove dead copper, shelved, pour order 21): 2400,2730 2400,3180 2850,3180 2850,2730
VALVES+ on Top Layer "Bottom Layer-No Net" (solid, remove dead copper, shelved, pour order 23): 1040,2150 1275,2150 1300,2150 1300,1900 1040,1900
MOTOR+ on Top Layer "Bottom Layer-No Net" (solid, remove dead copper, shelved, pour order 18): 2215,2955 2305,2955 2305,2905 2215,2905
VCC_14V on Top Layer "Bottom Layer-No Net" (solid, remove dead copper, shelved, pour order 19): 70,3180 70,2750 600,2750 600,2580 780,2580 780,2870 780,2980 1790,2980 1790,3180
VCC_14V on Top Layer "Bottom Layer-No Net" (solid, remove dead copper, shelved, pour order 22): 480,2415 480,2755 610,2755 610,2580 550,2580 550,2410 480,2410
NetD2_2 on Top Layer "Bottom Layer-No Net" (solid, remove dead copper, shelved, pour order 29): 850,2850 1125,2850 1125,2225 850,2225
VCC_14V on MidLayer2 "Bottom Layer-No Net" (solid, remove dead copper, shelved, pour order 26): 480,2550 540,2550 540,2410 480,2410
VCC_14V on MidLayer2 "Bottom Layer-No Net" (solid, remove dead copper, shelved, pour order 25): 570,2725 780,2725 780,2580 570,2580
VALVES+ on MidLayer1 "Bottom Layer-No Net" (solid, remove dead copper, shelved, pour order 24): 1000,1850 1000,2200 1150,2200 1150,2700 4550,2700 4550,0 1000,0

## Keep-outs
Keep-Out Layer:
  the board outline again, w10

## Silkscreen, mask and mechanical layers (free items; w line width, h text height)
Top Overlay:
  text "+" at 3500,2585 h100 r90
  text "+" at 2620,2530 h100 r90
  text "+" at 1675,2495 h100 r90
  text "+" at 3130,2435 h100 r90
  text "+" at 2270,2310 h100 r90
  text "+" at 3660,2275 h100 r90
  text "+" at 4305,1655 h100 r90
  text "+" at 4165,1480 h100 r90
  text "+" at 1610,1390 h100 r90
  text "+" at 2205,885 h100 r90
  text "+" at 3695,795 h100 r90
  text "+" at 3695,635 h100 r90
  text "+" at 2165,510 h100 r90
Bottom Overlay:
  drawing of 1301 lines, arcs and shapes, not listed
  text "14V" at 420,2730 h120
  text "Valves" at 50,1470 h120 r270
  text "ESC Driver" at 1440,1460 h120
  text "Qilin Lu" at 1440,1350 h120
  text "2018.8" at 1440,1230 h120
  text "Power" at 50,780 h120 r270
  text "GND" at 460,470 h120
Bottom Solder:
  lines w47.24: 2995,2385 3070,2385 3125,2440 3125,3110 ; 2995,2515 3040,2560 3040,2585 3040,3110

## Dimensions
0,0 to 4540,0 on Mechanical 1
4540,0 to 4530,3230 on Mechanical 1

## Text inside footprints (layer, text, board x,y; h text height)
J5: Bottom Overlay "^" at 795,1380 h100 r90
J6: Bottom Overlay "^" at 2210,15 h100
J7: Bottom Overlay "^" at 4075,820 h100 r270